# Altium PCB PCB1.PcbDoc (part 1 of 5)
Units mm, origin at the board's own origin, x right, y up, seen from the top; angles counter-clockwise.
Board outline 150 x 50 mm, 6 copper layers (Top Layer, Layer 1, Top Middle Layer, Bottom Middle Layer, Layer 2, Bottom Layer), stack 0.885 mm thick; 361 components, 293 nets, 1358 pads, 565 vias.
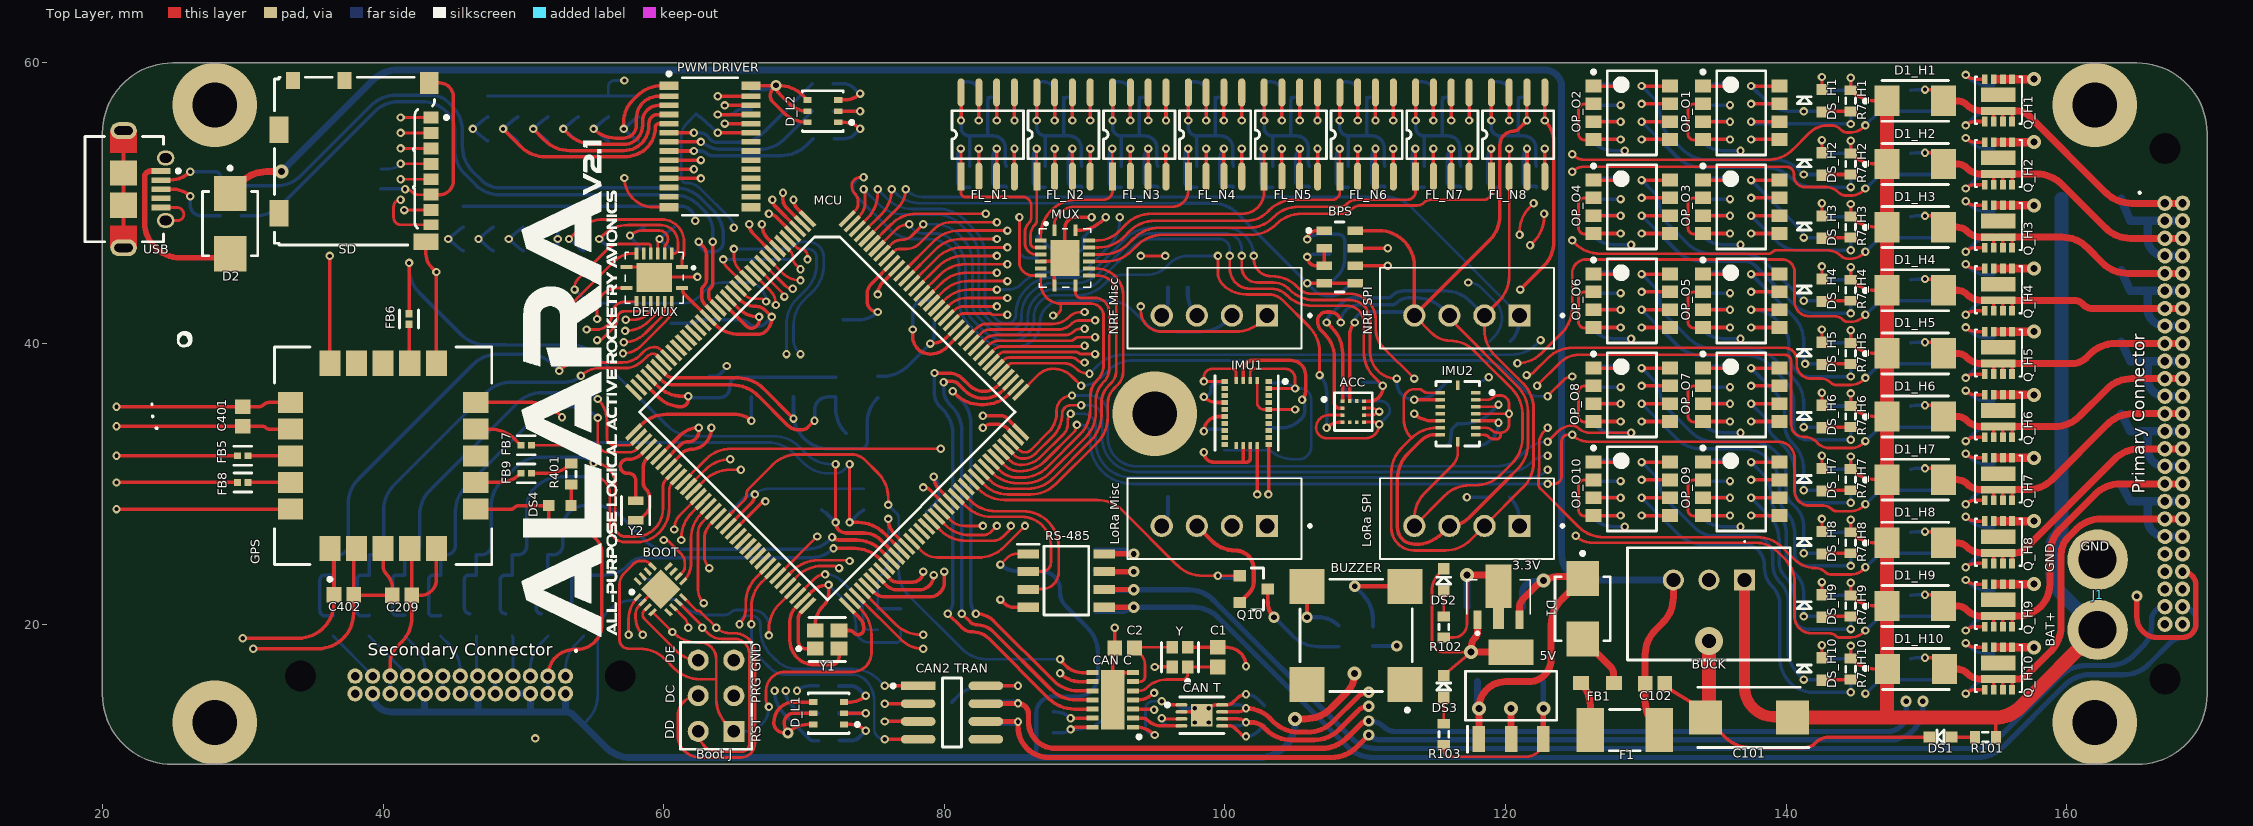
[diagram p0: Top Layer view]
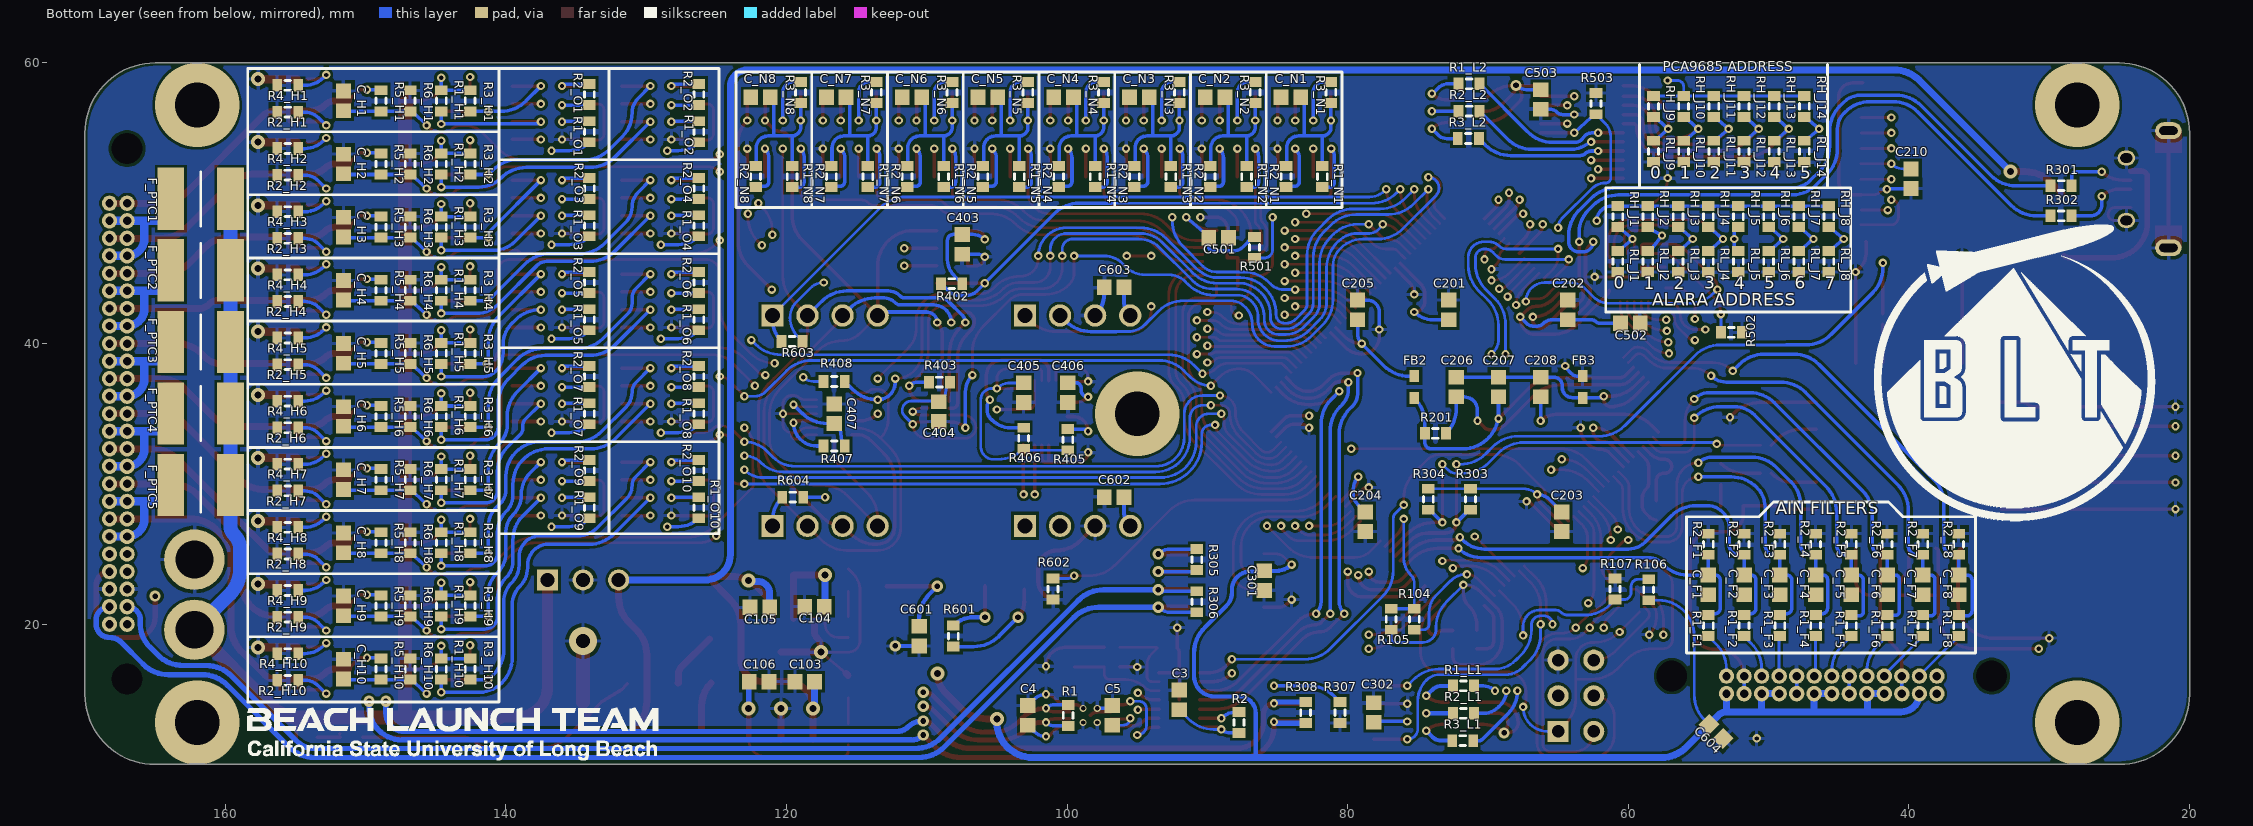
[diagram p1: Bottom Layer view, seen from below]
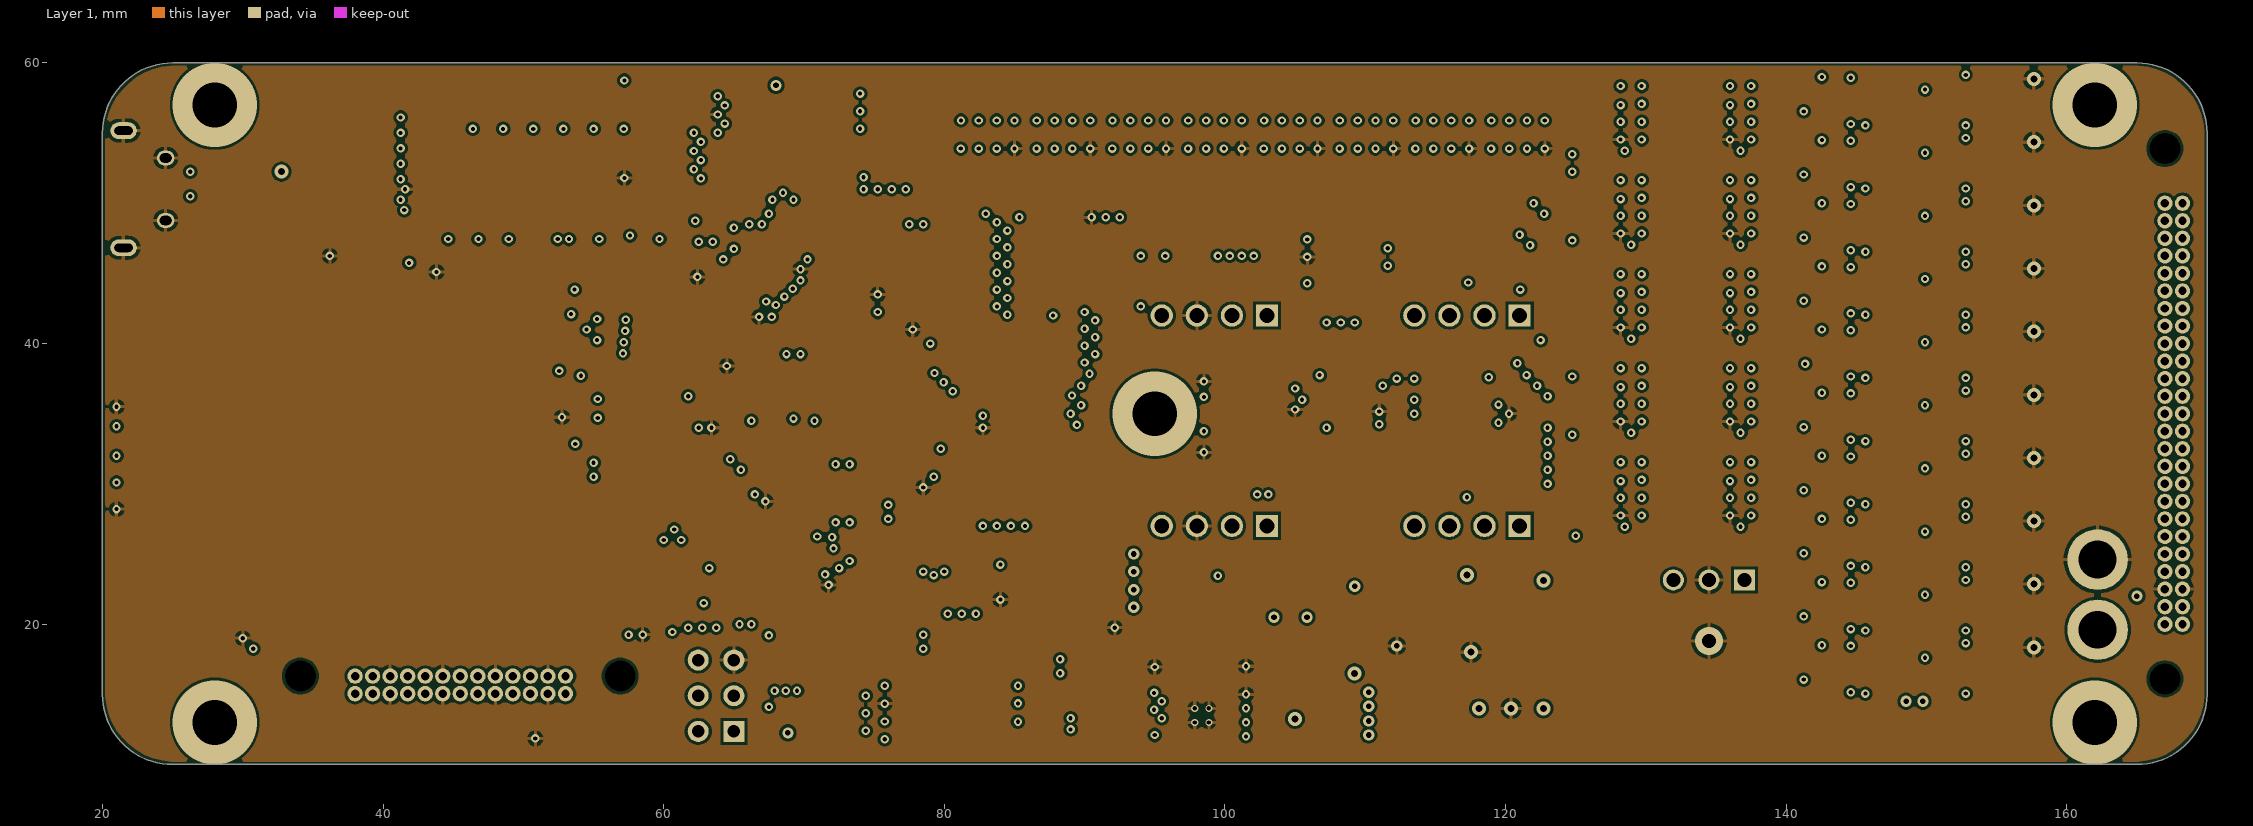
[diagram p2: Layer 1]
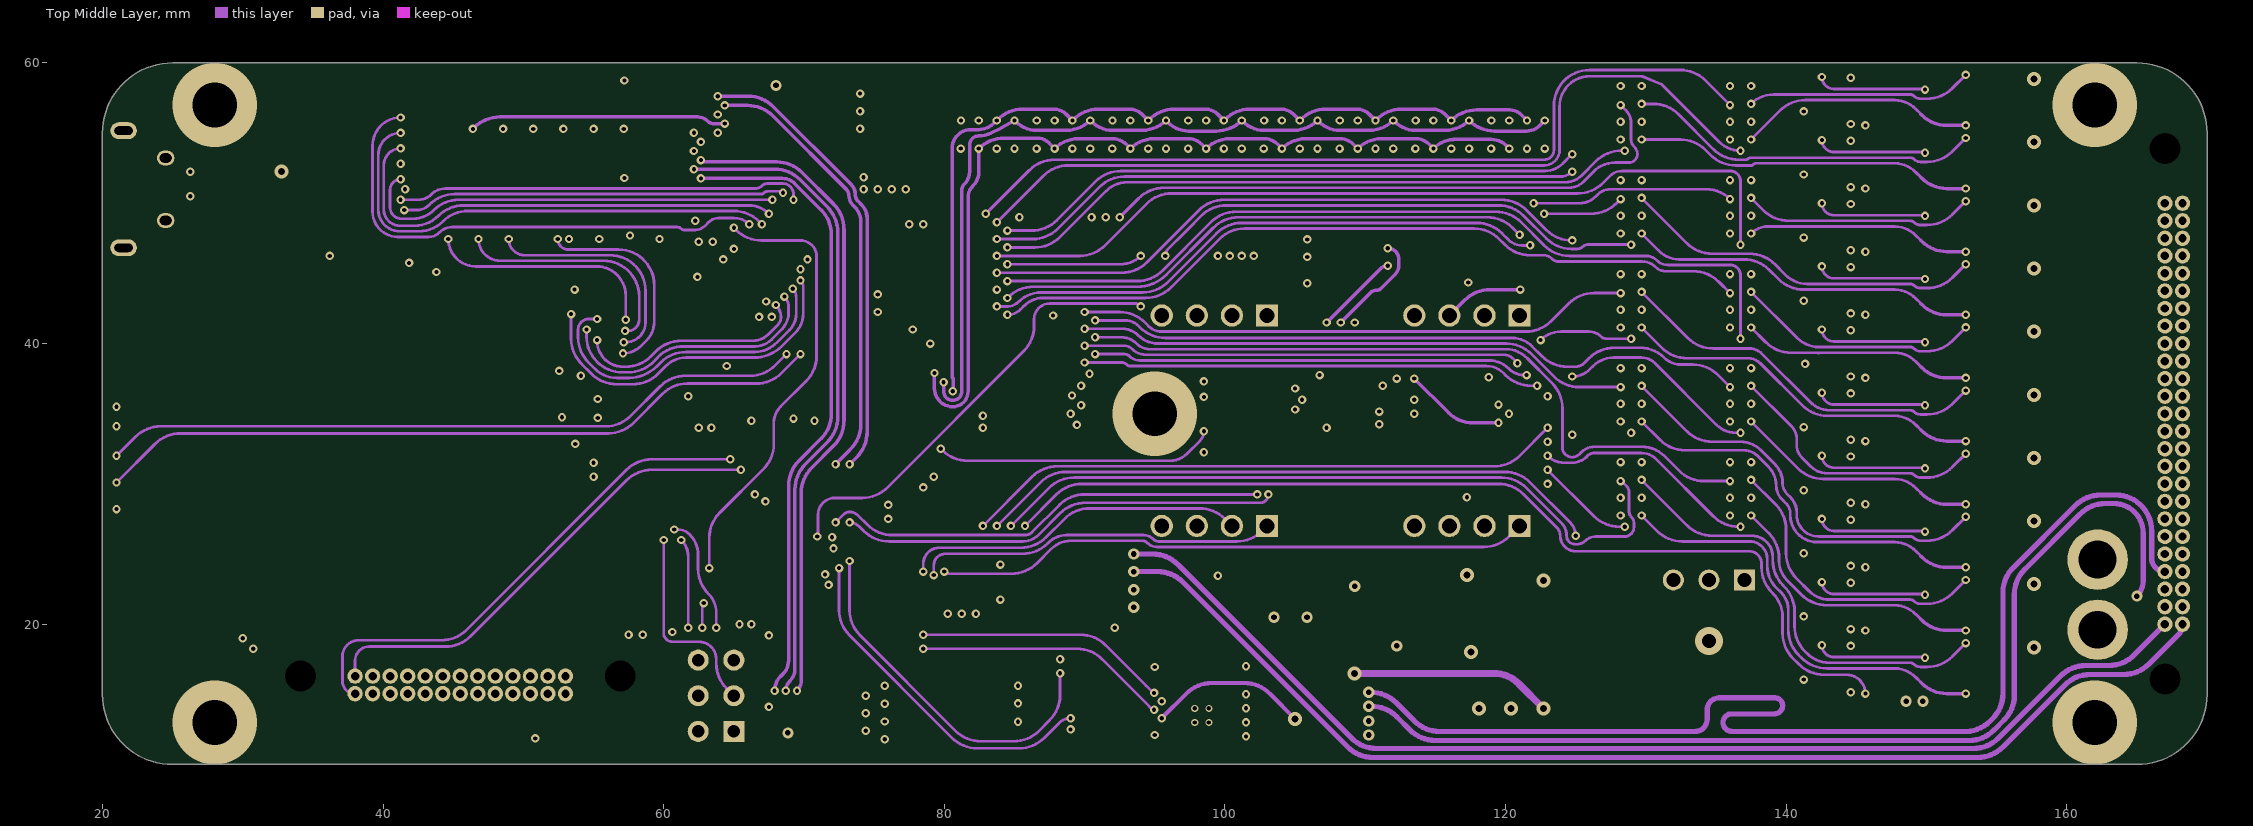
[diagram p3: Top Middle Layer]
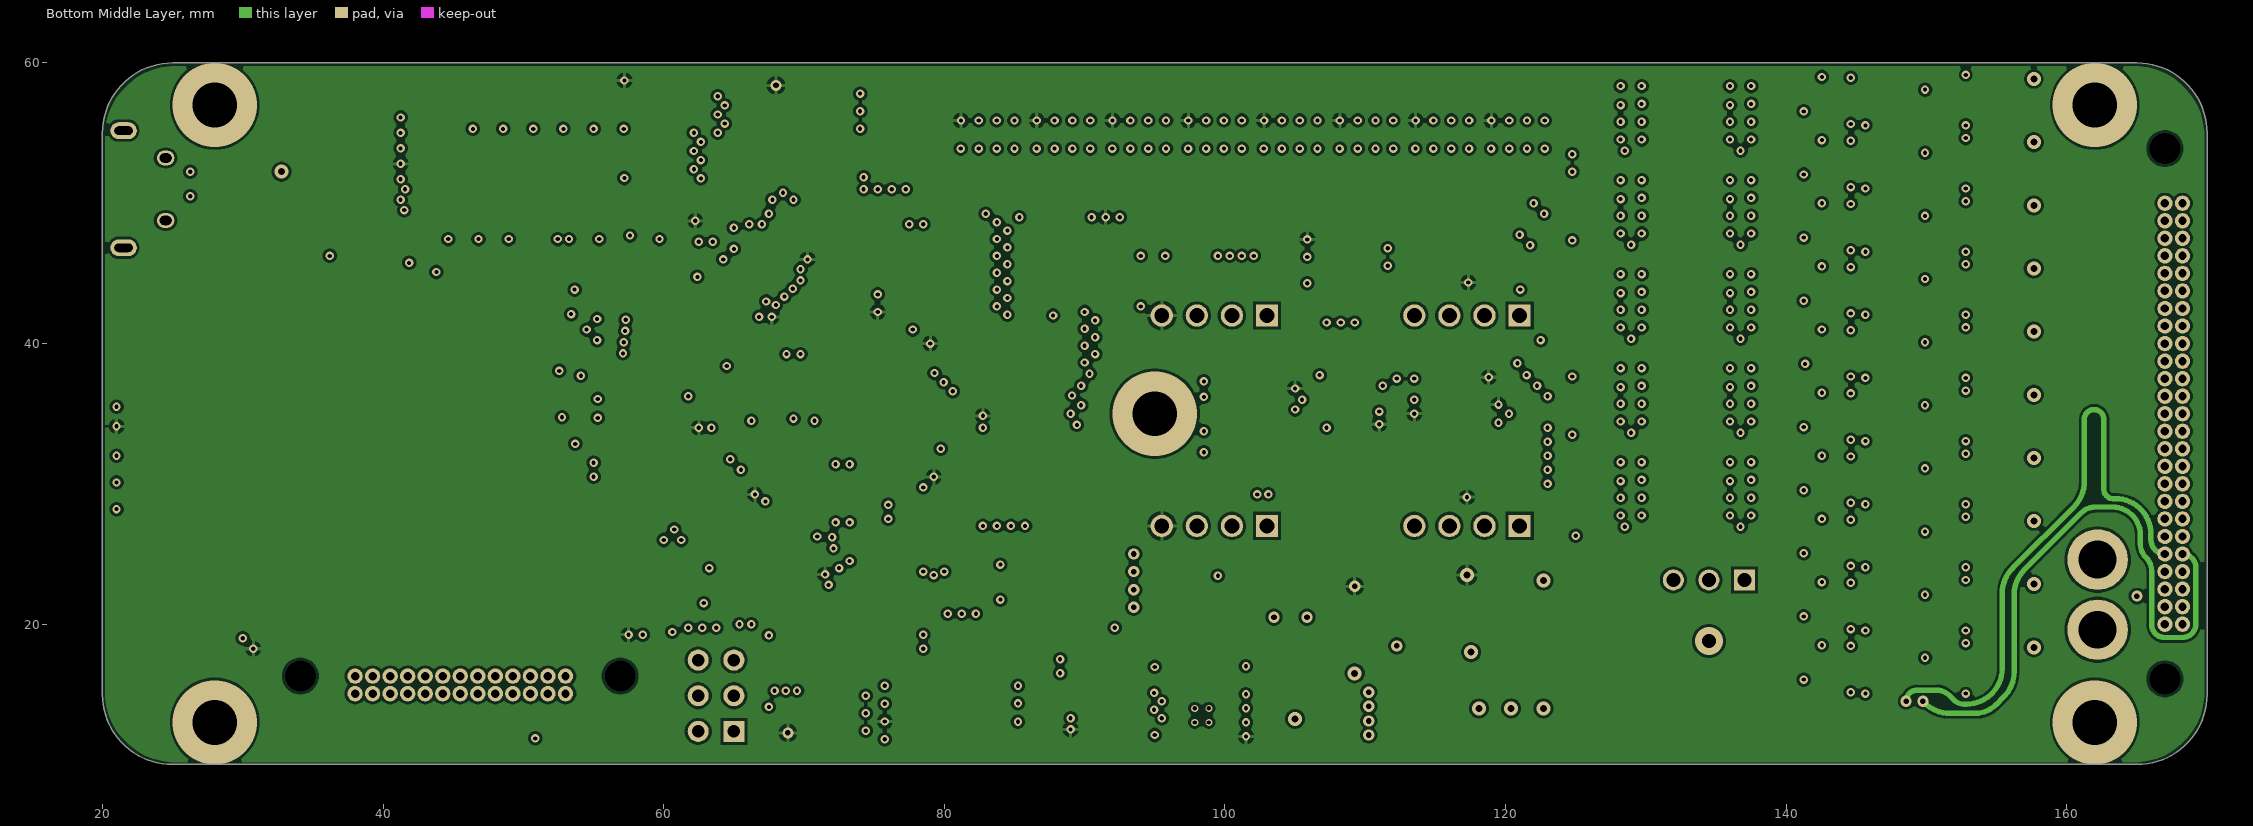
[diagram p4: Bottom Middle Layer]
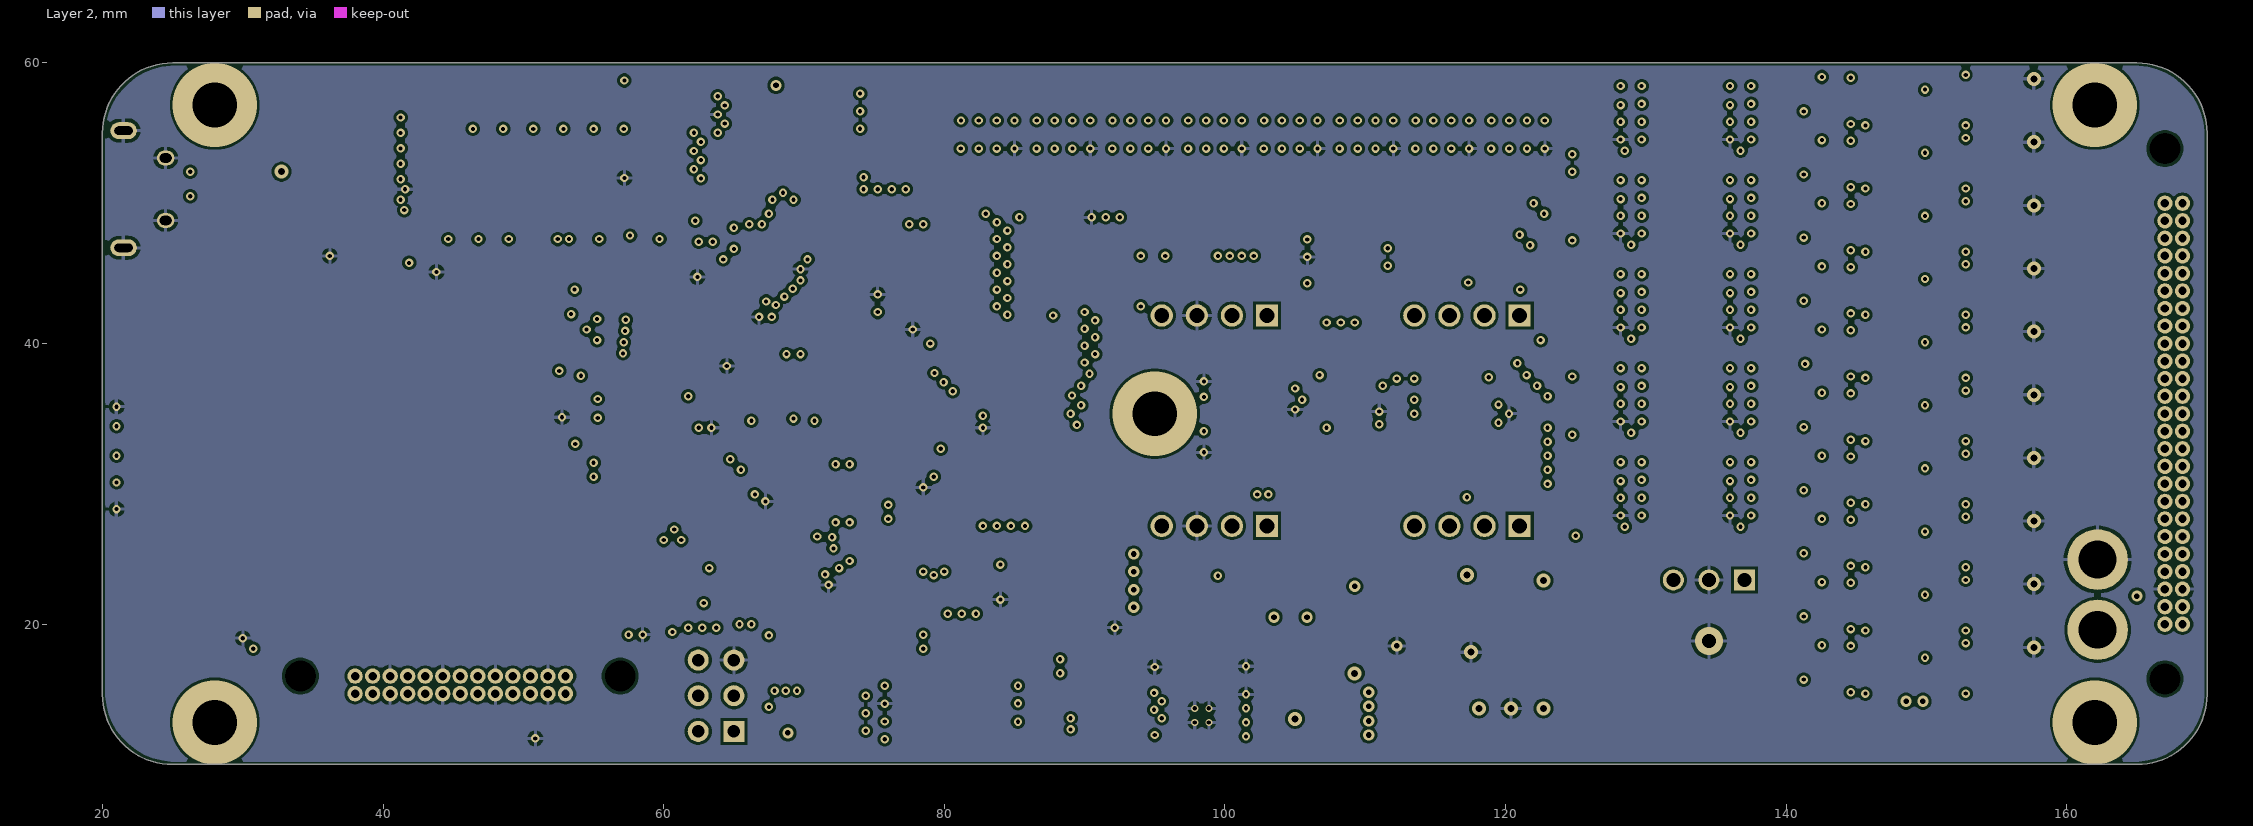
[diagram p5: Layer 2]
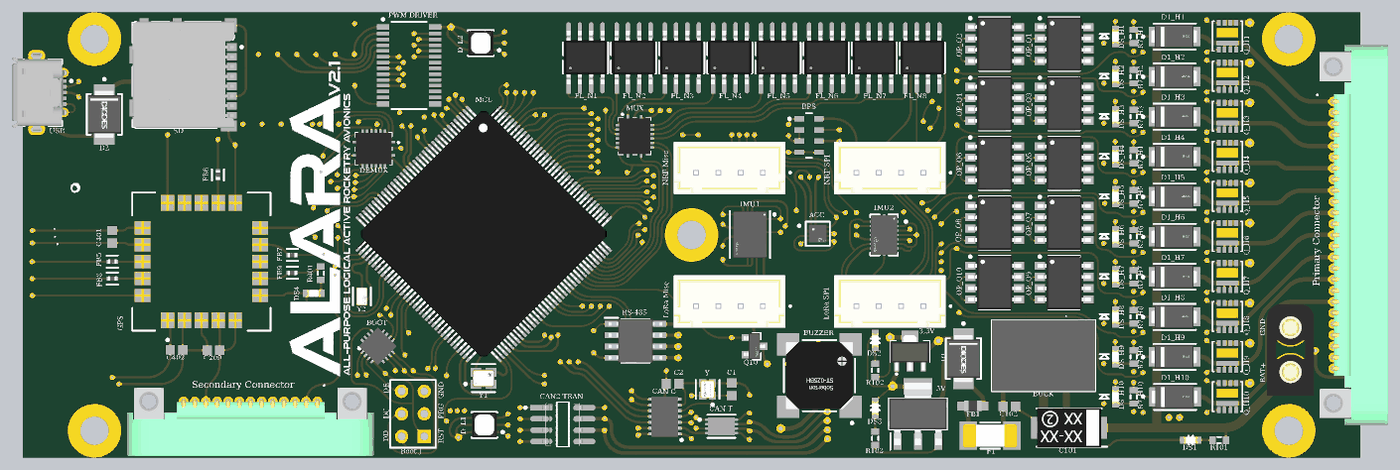
[diagram p10: 3D render of the assembled board from above, using the file's embedded part models]

## Layer stack, top to bottom
Top Solder: solder mask 0.0254, SM-002, Dk 4
Top Layer: signal copper 0.07
Dielectric 2: prepreg 0.0711, PP-006, Dk 4.1
Layer 1: signal copper 0.035
Dielectric 4: prepreg 0.0711, PP-006, Dk 4.1
Top Middle Layer: signal copper 0.035
Dielectric 1: dielectric 0.32, FR-4, Dk 4.8
Bottom Middle Layer: signal copper 0.035
Dielectric 5: prepreg 0.0711, PP-006, Dk 4.1
Layer 2: signal copper 0.035
Dielectric 3: prepreg 0.0711, PP-006, Dk 4.1
Bottom Layer: signal copper 0.07
Bottom Solder: solder mask 0.0254, SM-002, Dk 4

## Board outline
20,55 cw(c25,55) 25,60 165,60 cw(c165,55) 170,55 170,15 cw(c165,15) 165,10 25,10 cw(c25,15) 20,15 20,20

## Design rules (kind name [scope] priority, off if disabled: settings)
Clearance [All] p1: gap=0.2 ignorepadtopadclearanceinfootprint=TRUE except(0: Arc-Hole Track-Hole SMDPad-Hole THPad-Hole Via-Hole Fill-Hole Poly-Hole Region-Hole Text-Hole; 0.15: Arc-SMDPad Track-SMDPad)
PolygonConnect [All] p1: connectstyle=Relief reliefconductorwidth=0.254 reliefentries=4 polygonreliefangle="90 Angle" airgapwidth=0.254
RoomDefinition L1 [InComponentClass('L1')] p1: confinementstyle=ConfineIn formatcopy=TRUE lockcomponents=FALSE outline 74.85,11.05 74.85,16.25 67.5,16.25 67.5,11.05
RoomDefinition B [InComponentClass('B')] p2: confinementstyle=ConfineIn formatcopy=TRUE lockcomponents=FALSE outline 86.55,11.65 104,11.65 104,19.75 86.55,19.75
RoomDefinition H1 [InComponentClass('H1')] p3: confinementstyle=ConfineIn formatcopy=TRUE lockcomponents=FALSE outline 140.6,59.6 140.6,55.1 158.3,55.1 158.3,59.6
RoomDefinition J14 [InComponentClass('J14')] p4: confinementstyle=ConfineIn formatcopy=TRUE lockcomponents=FALSE outline 48.1,51.45 45.95,51.45 45.95,59.2 48.1,59.2
RoomDefinition J9 [InComponentClass('J9')] p5: confinementstyle=ConfineIn formatcopy=TRUE lockcomponents=FALSE outline 58.85,51.45 56.7,51.45 56.7,59.2 58.85,59.2
RoomDefinition J10 [InComponentClass('J10')] p6: confinementstyle=ConfineIn formatcopy=TRUE lockcomponents=FALSE outline 56.7,51.45 54.55,51.45 54.55,59.2 56.7,59.2
RoomDefinition J12 [InComponentClass('J12')] p7: confinementstyle=ConfineIn formatcopy=TRUE lockcomponents=FALSE outline 52.4,51.45 50.25,51.45 50.25,59.2 52.4,59.2
RoomDefinition J6 [InComponentClass('J6')] p8: confinementstyle=ConfineIn formatcopy=TRUE lockcomponents=FALSE outline 50.65,43.6 48.5,43.6 48.5,51.35 50.65,51.35
RoomDefinition J7 [InComponentClass('J7')] p9: confinementstyle=ConfineIn formatcopy=TRUE lockcomponents=FALSE outline 48.5,43.6 46.35,43.6 46.35,51.35 48.5,51.35
RoomDefinition J2 [InComponentClass('J2')] p10: confinementstyle=ConfineIn formatcopy=TRUE lockcomponents=FALSE outline 59.25,43.6 57.1,43.6 57.1,51.35 59.25,51.35
RoomDefinition J4 [InComponentClass('J4')] p11: confinementstyle=ConfineIn formatcopy=TRUE lockcomponents=FALSE outline 54.95,43.6 52.8,43.6 52.8,51.35 54.95,51.35
RoomDefinition J11 [InComponentClass('J11')] p12: confinementstyle=ConfineIn formatcopy=TRUE lockcomponents=FALSE outline 54.55,51.45 52.4,51.45 52.4,59.2 54.55,59.2
RoomDefinition J5 [InComponentClass('J5')] p13: confinementstyle=ConfineIn formatcopy=TRUE lockcomponents=FALSE outline 52.8,43.6 50.65,43.6 50.65,51.35 52.8,51.35
RoomDefinition J8 [InComponentClass('J8')] p14: confinementstyle=ConfineIn formatcopy=TRUE lockcomponents=FALSE outline 46.35,43.6 44.2,43.6 44.2,51.35 46.35,51.35
RoomDefinition J13 [InComponentClass('J13')] p15: confinementstyle=ConfineIn formatcopy=TRUE lockcomponents=FALSE outline 50.25,51.45 48.1,51.45 48.1,59.2 50.25,59.2
RoomDefinition J3 [InComponentClass('J3')] p16: confinementstyle=ConfineIn formatcopy=TRUE lockcomponents=FALSE outline 57.1,43.6 54.95,43.6 54.95,51.35 57.1,51.35
RoomDefinition J1 [InComponentClass('J1')] p17: confinementstyle=ConfineIn formatcopy=TRUE lockcomponents=FALSE outline 61.4,43.6 59.25,43.6 59.25,51.35 61.4,51.35
RoomDefinition PTC1 [InComponentClass('PTC1')] p18: confinementstyle=ConfineIn formatcopy=TRUE lockcomponents=FALSE outline 157.5,52.868 165.2,52.868 165.2,47.768 157.5,47.768
RoomDefinition PTC2 [InComponentClass('PTC2')] p19: confinementstyle=ConfineIn formatcopy=TRUE lockcomponents=FALSE outline 157.5,47.768 165.2,47.768 165.2,42.668 157.5,42.668
RoomDefinition PTC3 [InComponentClass('PTC3')] p20: confinementstyle=ConfineIn formatcopy=TRUE lockcomponents=FALSE outline 157.5,42.668 165.2,42.668 165.2,37.568 157.5,37.568
RoomDefinition PTC4 [InComponentClass('PTC4')] p21: confinementstyle=ConfineIn formatcopy=TRUE lockcomponents=FALSE outline 157.5,37.568 165.2,37.568 165.2,32.468 157.5,32.468
RoomDefinition PTC5 [InComponentClass('PTC5')] p22: confinementstyle=ConfineIn formatcopy=TRUE lockcomponents=FALSE outline 157.5,32.468 165.2,32.468 165.2,27.368 157.5,27.368
RoomDefinition F6 [InComponentClass('F6')] p23: confinementstyle=ConfineIn formatcopy=TRUE lockcomponents=FALSE outline 40.45,18.05 43,18.05 43,27.55 40.45,27.55
RoomDefinition F7 [InComponentClass('F7')] p24: confinementstyle=ConfineIn formatcopy=TRUE lockcomponents=FALSE outline 37.9,18.05 40.45,18.05 40.45,27.55 37.9,27.55
RoomDefinition F8 [InComponentClass('F8')] p25: confinementstyle=ConfineIn formatcopy=TRUE lockcomponents=FALSE outline 35.35,18.05 37.9,18.05 37.9,27.55 35.35,27.55
RoomDefinition F1 [InComponentClass('F1')] p26: confinementstyle=ConfineIn formatcopy=TRUE lockcomponents=FALSE outline 53.2,18.05 55.75,18.05 55.75,27.55 53.2,27.55
RoomDefinition F2 [InComponentClass('F2')] p27: confinementstyle=ConfineIn formatcopy=TRUE lockcomponents=FALSE outline 50.65,18.05 53.2,18.05 53.2,27.55 50.65,27.55
RoomDefinition F3 [InComponentClass('F3')] p28: confinementstyle=ConfineIn formatcopy=TRUE lockcomponents=FALSE outline 48.1,18.05 50.65,18.05 50.65,27.55 48.1,27.55
RoomDefinition F4 [InComponentClass('F4')] p29: confinementstyle=ConfineIn formatcopy=TRUE lockcomponents=FALSE outline 45.55,18.05 48.1,18.05 48.1,27.55 45.55,27.55
RoomDefinition F5 [InComponentClass('F5')] p30: confinementstyle=ConfineIn formatcopy=TRUE lockcomponents=FALSE outline 43,18.05 45.55,18.05 45.55,27.55 43,27.55
RoomDefinition L2 [InComponentClass('L2')] p31: confinementstyle=ConfineIn formatcopy=TRUE lockcomponents=FALSE outline 74.45,53.964 74.45,59.15 68.8,59.15 68.8,53.964
RoomDefinition N8 [InComponentClass('N8')] p32: confinementstyle=ConfineIn formatcopy=TRUE lockcomponents=FALSE outline 118.2,49.7 123.6,49.7 123.6,59.2 118.2,59.2
RoomDefinition N4 [InComponentClass('N4')] p33: confinementstyle=ConfineIn formatcopy=TRUE lockcomponents=FALSE outline 96.6,49.7 102,49.7 102,59.2 96.6,59.2
RoomDefinition N6 [InComponentClass('N6')] p34: confinementstyle=ConfineIn formatcopy=TRUE lockcomponents=FALSE outline 107.4,49.7 112.8,49.7 112.8,59.2 107.4,59.2
RoomDefinition N5 [InComponentClass('N5')] p35: confinementstyle=ConfineIn formatcopy=TRUE lockcomponents=FALSE outline 102,49.7 107.4,49.7 107.4,59.2 102,59.2
RoomDefinition N7 [InComponentClass('N7')] p36: confinementstyle=ConfineIn formatcopy=TRUE lockcomponents=FALSE outline 112.8,49.7 118.2,49.7 118.2,59.2 112.8,59.2
RoomDefinition N3 [InComponentClass('N3')] p37: confinementstyle=ConfineIn formatcopy=TRUE lockcomponents=FALSE outline 91.2,49.7 96.6,49.7 96.6,59.2 91.2,59.2
RoomDefinition N2 [InComponentClass('N2')] p38: confinementstyle=ConfineIn formatcopy=TRUE lockcomponents=FALSE outline 85.8,49.7 91.2,49.7 91.2,59.2 85.8,59.2
RoomDefinition N1 [InComponentClass('N1')] p39: confinementstyle=ConfineIn formatcopy=TRUE lockcomponents=FALSE outline 80.4,49.7 85.8,49.7 85.8,59.2 80.4,59.2
RoomDefinition O10 [InComponentClass('O10')] p40: confinementstyle=ConfineIn formatcopy=TRUE lockcomponents=FALSE outline 124.8,26.45 132.5,26.45 132.5,32.85 124.8,32.85
RoomDefinition O9 [InComponentClass('O9')] p41: confinementstyle=ConfineIn formatcopy=TRUE lockcomponents=FALSE outline 132.6,26.45 140.3,26.45 140.3,32.85 132.6,32.85
RoomDefinition O8 [InComponentClass('O8')] p42: confinementstyle=ConfineIn formatcopy=TRUE lockcomponents=FALSE outline 124.8,33.15 132.5,33.15 132.5,39.55 124.8,39.55
RoomDefinition O7 [InComponentClass('O7')] p43: confinementstyle=ConfineIn formatcopy=TRUE lockcomponents=FALSE outline 132.6,33.15 140.3,33.15 140.3,39.55 132.6,39.55
RoomDefinition O6 [InComponentClass('O6')] p44: confinementstyle=ConfineIn formatcopy=TRUE lockcomponents=FALSE outline 124.8,39.85 132.5,39.85 132.5,46.25 124.8,46.25
RoomDefinition O5 [InComponentClass('O5')] p45: confinementstyle=ConfineIn formatcopy=TRUE lockcomponents=FALSE outline 132.6,39.85 140.3,39.85 140.3,46.25 132.6,46.25
RoomDefinition O4 [InComponentClass('O4')] p46: confinementstyle=ConfineIn formatcopy=TRUE lockcomponents=FALSE outline 124.8,46.55 132.5,46.55 132.5,52.95 124.8,52.95
RoomDefinition O3 [InComponentClass('O3')] p47: confinementstyle=ConfineIn formatcopy=TRUE lockcomponents=FALSE outline 132.6,46.55 140.3,46.55 140.3,52.95 132.6,52.95
RoomDefinition O2 [InComponentClass('O2')] p48: confinementstyle=ConfineIn formatcopy=TRUE lockcomponents=FALSE outline 124.8,53.25 132.5,53.25 132.5,59.65 124.8,59.65
RoomDefinition O1 [InComponentClass('O1')] p49: confinementstyle=ConfineIn formatcopy=TRUE lockcomponents=FALSE outline 132.6,53.25 140.3,53.25 140.3,59.65 132.6,59.65
RoomDefinition H10 [InComponentClass('H10')] p50: confinementstyle=ConfineIn formatcopy=TRUE lockcomponents=FALSE outline 140.6,19.1 140.6,14.6 158.3,14.6 158.3,19.1
RoomDefinition H2 [InComponentClass('H2')] p51: confinementstyle=ConfineIn formatcopy=TRUE lockcomponents=FALSE outline 140.6,55.1 140.6,50.6 158.3,50.6 158.3,55.1
RoomDefinition H3 [InComponentClass('H3')] p52: confinementstyle=ConfineIn formatcopy=TRUE lockcomponents=FALSE outline 140.6,50.6 140.6,46.1 158.3,46.1 158.3,50.6
RoomDefinition H4 [InComponentClass('H4')] p53: confinementstyle=ConfineIn formatcopy=TRUE lockcomponents=FALSE outline 140.6,46.1 140.6,41.6 158.3,41.6 158.3,46.1
RoomDefinition H5 [InComponentClass('H5')] p54: confinementstyle=ConfineIn formatcopy=TRUE lockcomponents=FALSE outline 140.6,41.6 140.6,37.1 158.3,37.1 158.3,41.6
RoomDefinition H6 [InComponentClass('H6')] p55: confinementstyle=ConfineIn formatcopy=TRUE lockcomponents=FALSE outline 140.6,37.1 140.6,32.6 158.3,32.6 158.3,37.1
RoomDefinition H7 [InComponentClass('H7')] p56: confinementstyle=ConfineIn formatcopy=TRUE lockcomponents=FALSE outline 140.6,32.6 140.6,28.1 158.3,28.1 158.3,32.6
RoomDefinition H8 [InComponentClass('H8')] p57: confinementstyle=ConfineIn formatcopy=TRUE lockcomponents=FALSE outline 140.6,28.1 140.6,23.6 158.3,23.6 158.3,28.1
RoomDefinition H9 [InComponentClass('H9')] p58: confinementstyle=ConfineIn formatcopy=TRUE lockcomponents=FALSE outline 140.6,23.6 140.6,19.1 158.3,19.1 158.3,23.6
RoutingVias [All] p1: holewidth=0.711 width=1.27 viastyle="Through Hole" minholewidth=0.711 minwidth=1.27 maxholewidth=0.711 maxwidth=1.27
SolderMaskExpansion [All] p1: expansion=0.05 istentingtop=FALSE
Width [All] p1: maxlimit=1.2 minlimit=0.2 preferedwidth=0.25 midlayer1_maxwidth=0.5 midlayer2_maxwidth=0.5 midlayer3_maxwidth=0.5 midlayer4_maxwidth=0.5 minimp=50.000000 maximp=50.000000 favimp=50.000000
30 further rules are at their usual default settings.
